# Altium PCB Fastino-DIOT.PCBDOC (part 8 of 22)
Units mm, origin at the board's own origin, x right, y up, seen from the top; angles counter-clockwise.
Board outline 222.63 x 100.1 mm, 8 copper layers (L1, L2, L3, P4, L5, L6, P7, L8), stack 1.563 mm thick; 1030 components, 787 nets, 3312 pads, 2498 vias.
Unrouted connection lines stored in the file: 424.
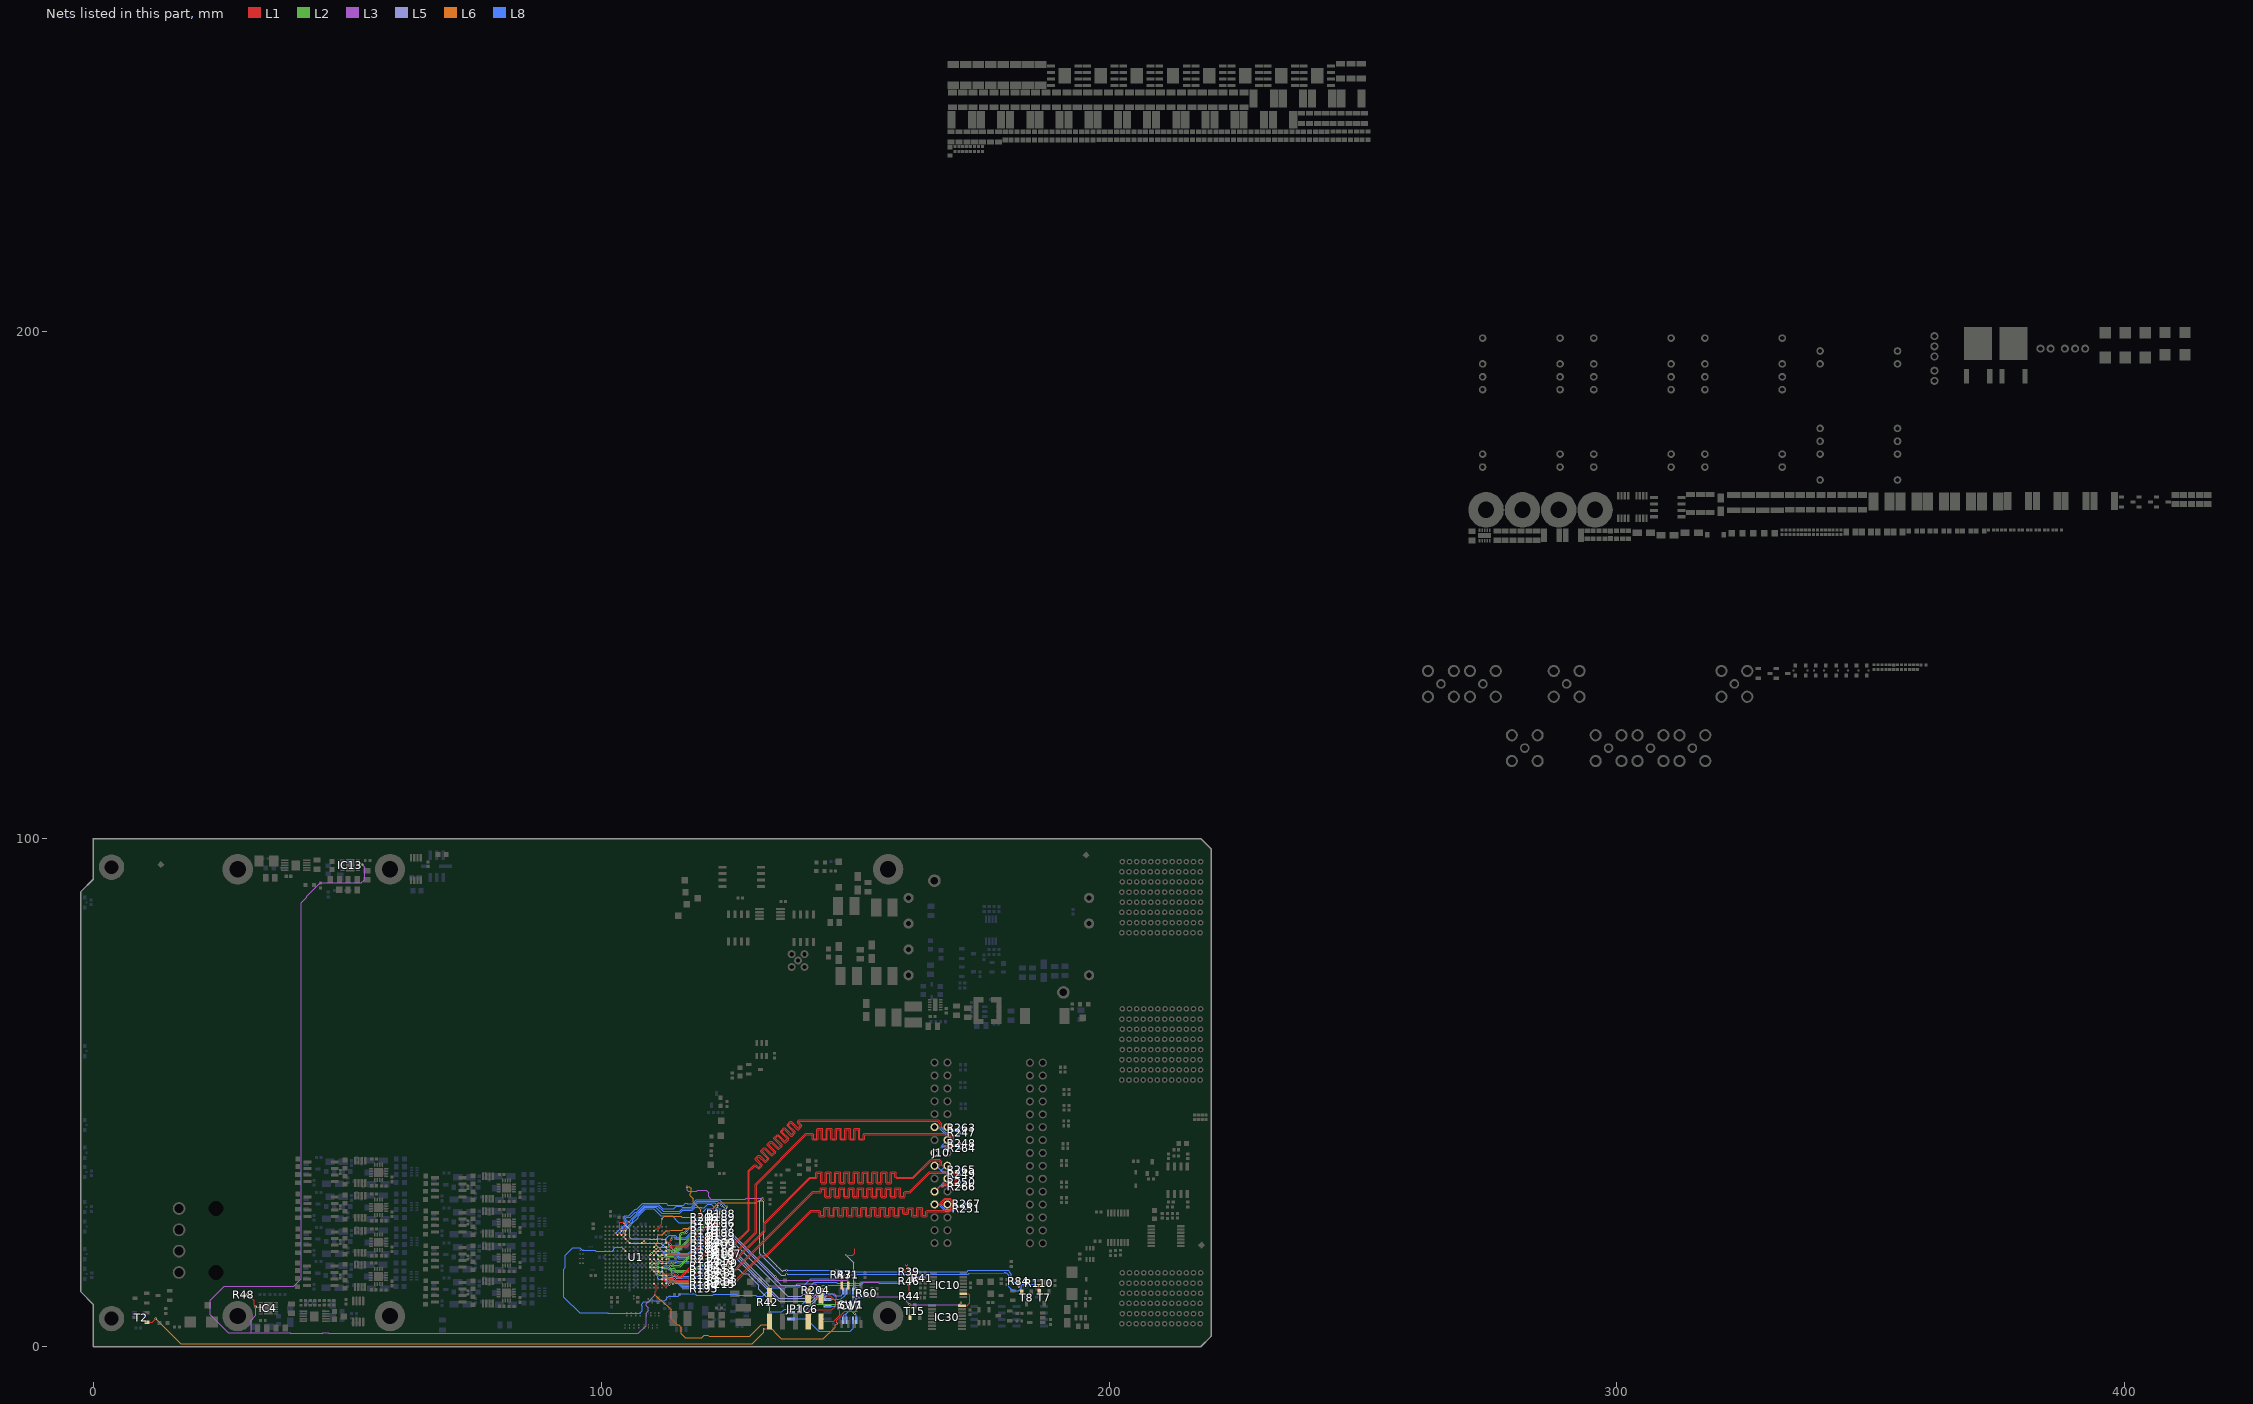
[diagram p14: the nets of this part, all layers, seen from the top]

## Via types
v1: diameter 0.4, hole 0.2, L1 to L8, tented both sides, 1919 vias
v2: diameter 0.5, hole 0.2, L1 to L8, tented both sides, 270 vias
v3: diameter 0.4, hole 0.2, L1 to L8, 170 vias
v4: diameter 0.7, hole 0.4, L1 to L8, tented both sides, 110 vias
v5: diameter 0.7, hole 0.4, L1 to L8, 29 vias

## Nets (pads, with @x,y where several pads share a name; then routed paths per layer and width w, separated by ;. In a path a pad name is that pad's centre, name@x,y a point inside that pad or via, vN(x,y) a via of type N, cw(c..) or ccw(c..) an arc to the next point about the centre after c; other vN are vias at no path point) (continued)
EEM1_3_N: J10.12 R71.1 R200.2 R263.2 | length 93.1
  L1 w0.127: R200.2@123.96,20.584 123.98,20.584 124.127,20.438 124.127,20.43 124.201,20.355 124.478,20.355 ; J10.12@168.187,43.226 167.131,43.226 167.056,43.301 167.056,43.911 166.338,44.629 138.934,44.629 138.848,44.543 138.664,44.359 138.664,44.022 139.214,43.472 138.765,43.023 137.444,44.344 137.212,44.344 136.6,43.732 136.6,43.5 137.921,42.179 137.472,41.73 136.151,43.051 135.919,43.051 135.306,42.438 135.306,42.207 136.627,40.886 136.178,40.437 134.857,41.758 134.626,41.758 134.013,41.145 134.013,40.914 135.334,39.593 134.885,39.144 133.564,40.465 133.333,40.465 132.72,39.852 132.72,39.621 134.041,38.299 133.592,37.85 132.271,39.172 132.04,39.172 131.427,38.559 131.427,38.327 132.748,37.006 132.299,36.557 131.175,37.682 130.943,37.682 130.331,37.069 130.331,36.838 131.455,35.713 131.006,35.264 130.456,35.814 130.119,35.814 129.639,35.334 128.905,34.6 128.905,23.038 126.223,20.355 125.299,20.355 125.119,20.355 ; 124.478,20.355 125.119,20.355 ; 124.478,20.355 124.552,20.43 124.552,20.459 124.779,20.686 R71.1@124.799,20.686 124.819,20.686 125.045,20.459 125.045,20.43 125.119,20.355
  L8 w0.127: J10.12@168.187,43.226 167.131,43.226 167.056,43.152 167.056,42.956 167.776,42.236 168.597,42.236 169.243,42.882 169.918,42.882 170.091,42.709 170.21,42.709 170.284,42.783 170.284,42.82 R263.2@170.51,43.046
EEM1_3_P: J10.11 R71.2 R203.2 R247.2 | length 93.1
  L1 w0.127: R203.2@123.96,19.847 123.98,19.847 124.127,19.994 124.127,20.002 124.201,20.076 125.119,20.076 ; 124.478,20.076 124.552,20.002 124.552,19.972 124.779,19.746 R71.2@124.799,19.746 124.819,19.746 125.045,19.972 125.045,20.002 125.119,20.076 ; J10.11@165.647,43.226 166.702,43.226 166.777,43.301 166.777,43.795 166.222,44.349 139.049,44.349 139.046,44.346 138.943,44.243 138.943,44.138 139.493,43.588 139.493,43.356 138.881,42.744 138.649,42.744 137.328,44.065 136.879,43.616 138.2,42.295 138.2,42.063 137.587,41.451 137.356,41.451 136.035,42.772 135.586,42.323 136.907,41.002 136.907,40.77 136.294,40.157 136.063,40.157 134.742,41.478 134.293,41.029 135.614,39.708 135.614,39.477 135.001,38.864 134.77,38.864 133.448,40.185 132.999,39.736 134.321,38.415 134.321,38.184 133.708,37.571 133.476,37.571 132.155,38.892 131.706,38.443 133.027,37.122 133.027,36.891 132.415,36.278 132.183,36.278 131.059,37.402 130.61,36.953 131.734,35.829 131.734,35.597 131.122,34.985 130.89,34.985 130.34,35.535 130.235,35.535 129.836,35.136 129.184,34.484 129.184,22.922 126.338,20.076 125.415,20.076 125.119,20.076
  L8 w0.127: J10.11@165.647,43.226 166.702,43.226 166.777,43.152 166.777,42.84 167.66,41.957 168.713,41.957 169.358,42.602 169.802,42.602 169.975,42.429 170.229,42.429 170.304,42.355 170.304,42.326 R247.2@170.53,42.1
EEM1_4_N: J10.15 R107.1 R208.2 R264.2 | length 94.8
  L1 w0.127: R208.2@123.918,18.68 123.938,18.68 124.154,18.464 ; 124.159,18.451 126.249,18.451 130.3,22.502 130.3,32.016 140.27,41.985 140.767,41.985 141.578,41.985 141.816,41.747 141.816,40.969 142.451,40.969 142.451,42.838 142.615,43.001 143.481,43.001 143.645,42.838 143.645,40.969 144.28,40.969 144.28,42.838 144.443,43.001 145.31,43.001 145.474,42.838 145.474,40.969 146.109,40.969 146.109,42.838 146.272,43.001 147.139,43.001 147.302,42.838 147.302,40.969 147.937,40.969 147.937,42.838 148.101,43.001 148.967,43.001 149.131,42.838 149.131,40.969 149.766,40.969 149.766,42.838 149.93,43.001 150.796,43.001 150.96,42.838 150.96,40.969 151.595,40.969 151.595,41.747 151.833,41.985 152.094,41.985 168.684,41.985 169.456,41.213 169.456,40.16 169.293,39.997 168.561,39.265 167.388,39.265 167.359,39.294 166.999,39.294 166.97,39.265 166.765,39.265 J10.15@165.647,38.146 ; 124.461,18.464 124.535,18.538 124.535,18.568 124.762,18.794 R107.1@124.782,18.794 124.802,18.794 125.028,18.568 125.028,18.538 125.102,18.464
  L8 w0.127: J10.15@165.647,38.146 166.765,39.265 166.87,39.265 167.027,39.109 167.363,39.109 167.671,39.417 168.713,39.417 168.798,39.502 169.842,39.502 169.934,39.41 170.24,39.41 170.53,39.12 R264.2@170.53,39.1
EEM1_4_P: J10.14 R107.2 R209.2 R248.2 | length 92.8
  L1 w0.127: R209.2@123.918,17.943 123.938,17.943 124.084,18.09 124.084,18.097 124.159,18.172 124.473,18.172 ; J10.14@168.187,40.686 167.429,39.929 167.429,39.619 167.504,39.545 168.445,39.545 169.177,40.276 169.177,41.097 168.568,41.706 152.094,41.706 151.949,41.706 151.874,41.632 151.874,40.854 151.711,40.69 150.844,40.69 150.681,40.854 150.681,42.722 150.046,42.722 150.046,40.854 149.882,40.69 149.015,40.69 148.852,40.854 148.852,42.722 148.217,42.722 148.217,40.854 148.053,40.69 147.187,40.69 147.023,40.854 147.023,42.722 146.388,42.722 146.388,40.854 146.224,40.69 145.358,40.69 145.194,40.854 145.194,42.722 144.559,42.722 144.559,40.854 144.395,40.69 143.529,40.69 143.365,40.854 143.365,42.722 142.73,42.722 142.73,40.854 142.567,40.69 141.7,40.69 141.537,40.854 141.537,41.632 141.462,41.706 140.767,41.706 140.385,41.706 130.579,31.9 130.579,22.387 126.364,18.172 125.254,18.172 125.242,18.185 125.102,18.185 125.09,18.172 ; 124.473,18.172 125.09,18.172 ; 124.473,18.172 124.535,18.11 124.535,18.081 124.762,17.854 R107.2@124.782,17.854 124.802,17.854 125.028,18.081 125.028,18.11 125.09,18.172
  L8 w0.127: J10.14@168.187,40.686 167.068,39.568 167.068,39.463 167.142,39.388 167.247,39.388 167.555,39.696 168.597,39.696 168.683,39.782 169.957,39.782 170.05,39.69 170.24,39.69 170.53,39.98 R248.2@170.53,40
EEM1_5_N: J10.18 R79.1 R210.2 R265.2 | length 92.8
  L1 w0.127: R210.2@123.942,16.81 123.962,16.81 124.109,16.663 124.109,16.648 124.188,16.568 124.536,16.568 124.61,16.643 124.61,16.672 124.837,16.899 R79.1@124.857,16.899 124.877,16.899 125.103,16.672 125.103,16.643 125.178,16.568 125.711,16.568 132,22.858 132,24.316 141.064,33.379 142.069,33.379 142.214,33.379 142.288,33.454 142.288,34.232 142.452,34.395 143.318,34.395 143.482,34.232 143.482,32.363 144.117,32.363 144.117,34.232 144.281,34.395 145.147,34.395 145.311,34.232 145.311,32.363 145.946,32.363 145.946,34.232 146.11,34.395 146.976,34.395 147.14,34.232 147.14,32.363 147.775,32.363 147.775,34.232 147.938,34.395 148.805,34.395 148.969,34.232 148.969,32.363 149.604,32.363 149.604,34.232 149.767,34.395 150.634,34.395 150.797,34.232 150.797,32.363 151.432,32.363 151.432,34.232 151.596,34.395 152.462,34.395 152.626,34.232 152.626,32.363 153.261,32.363 153.261,34.232 153.425,34.395 154.291,34.395 154.455,34.232 154.455,32.363 155.09,32.363 155.09,34.232 155.254,34.395 156.12,34.395 156.284,34.232 156.284,32.363 156.919,32.363 156.919,34.232 157.082,34.395 157.949,34.395 158.113,34.232 158.113,33.454 158.187,33.379 158.782,33.379 161.371,33.379 164.868,36.876 166.618,36.876 167.056,36.438 167.056,35.681 167.131,35.606 J10.18@168.187,35.606
  L8 w0.127: J10.18@168.187,35.606 167.863,35.606 167.109,34.853 167.109,34.747 167.228,34.628 167.361,34.495 170.21,34.495 170.284,34.57 170.284,34.593 R265.2@170.51,34.82
EEM1_5_P: J10.17 R79.2 R211.2 R249.2 | length 92.8
  L1 w0.127: R211.2@123.967,16.048 123.987,16.048 124.134,16.194 124.134,16.215 124.208,16.289 124.536,16.289 124.61,16.215 124.61,16.185 124.837,15.959 R79.2@124.857,15.959 124.877,15.959 125.103,16.185 125.103,16.215 125.178,16.289 125.826,16.289 132.279,22.742 132.279,24.2 141.179,33.1 142.069,33.1 142.33,33.1 142.568,33.338 142.568,34.116 143.203,34.116 143.203,32.248 143.366,32.084 144.233,32.084 144.397,32.248 144.397,34.116 145.032,34.116 145.032,32.248 145.195,32.084 146.062,32.084 146.225,32.248 146.225,34.116 146.86,34.116 146.86,32.248 147.024,32.084 147.89,32.084 148.054,32.248 148.054,34.116 148.689,34.116 148.689,32.248 148.853,32.084 149.719,32.084 149.883,32.248 149.883,34.116 150.518,34.116 150.518,32.248 150.682,32.084 151.548,32.084 151.712,32.248 151.712,34.116 152.347,34.116 152.347,32.248 152.51,32.084 153.377,32.084 153.541,32.248 153.541,34.116 154.176,34.116 154.176,32.248 154.339,32.084 155.206,32.084 155.369,32.248 155.369,34.116 156.004,34.116 156.004,32.248 156.168,32.084 157.034,32.084 157.198,32.248 157.198,34.116 157.833,34.116 157.833,33.338 158.071,33.1 158.782,33.1 161.487,33.1 164.984,36.597 166.502,36.597 166.777,36.322 166.777,35.681 166.702,35.606 J10.17@165.647,35.606
  L8 w0.127: J10.17@165.647,35.606 165.97,35.606 166.829,34.747 166.829,34.632 167.245,34.216 170.234,34.216 170.53,33.92 R249.2@170.53,33.9
EEM1_6_N: J10.21 R81.1 R212.2 R266.2 | length 95.5
  L1 w0.127: R212.2@123.993,14.93 124.013,14.93 124.159,14.784 124.159,14.781 124.239,14.701 124.536,14.701 124.61,14.776 124.61,14.805 124.837,15.032 R81.1@124.857,15.032 124.877,15.032 125.103,14.805 125.103,14.776 125.178,14.701 125.768,14.701 141.666,30.6 142.443,30.6 143.079,30.6 143.153,30.674 143.153,31.095 143.317,31.259 144.184,31.259 144.347,31.095 144.347,29.584 144.982,29.584 144.982,31.095 145.146,31.259 146.012,31.259 146.176,31.095 146.176,29.584 146.811,29.584 146.811,31.095 146.975,31.259 147.841,31.259 148.005,31.095 148.005,29.584 148.64,29.584 148.64,31.095 148.803,31.259 149.67,31.259 149.834,31.095 149.834,29.584 150.469,29.584 150.469,31.095 150.632,31.259 151.499,31.259 151.662,31.095 151.662,29.584 152.297,29.584 152.297,31.095 152.461,31.259 153.328,31.259 153.491,31.095 153.491,29.584 154.126,29.584 154.126,31.095 154.29,31.259 155.156,31.259 155.32,31.095 155.32,29.584 155.955,29.584 155.955,31.095 156.119,31.259 156.985,31.259 157.149,31.095 157.149,29.584 157.784,29.584 157.784,31.095 157.947,31.259 158.814,31.259 158.978,31.095 158.978,29.584 159.613,29.584 159.613,30.362 159.851,30.6 160.112,30.6 160.765,30.6 164.583,34.418 169.391,34.418 170.015,33.794 170.015,32.313 169.332,31.63 167.956,31.63 167.865,31.721 166.841,31.721 J10.21@165.647,30.526
  L8 w0.127: J10.21@165.647,30.526 166.765,31.645 166.87,31.645 167.027,31.489 167.363,31.489 167.671,31.797 168.713,31.797 168.818,31.902 169.631,31.902 169.723,31.81 170.24,31.81 170.53,31.52 R266.2@170.53,31.5
EEM1_6_P: J10.20 R81.2 R213.2 R250.2 | length 93.6
  L1 w0.127: R213.2@124.018,14.193 124.038,14.193 124.185,14.34 124.185,14.348 124.259,14.422 124.536,14.422 124.61,14.348 124.61,14.318 124.837,14.092 R81.2@124.857,14.092 124.877,14.092 125.103,14.318 125.103,14.348 125.178,14.422 125.884,14.422 141.782,30.321 142.443,30.321 143.195,30.321 143.433,30.559 143.433,30.979 144.068,30.979 144.068,29.468 144.231,29.305 145.098,29.305 145.262,29.468 145.262,30.979 145.897,30.979 145.897,29.468 146.06,29.305 146.927,29.305 147.09,29.468 147.09,30.979 147.725,30.979 147.725,29.468 147.889,29.305 148.756,29.305 148.919,29.468 148.919,30.979 149.554,30.979 149.554,29.468 149.718,29.305 150.584,29.305 150.748,29.468 150.748,30.979 151.383,30.979 151.383,29.468 151.547,29.305 152.413,29.305 152.577,29.468 152.577,30.979 153.212,30.979 153.212,29.468 153.375,29.305 154.242,29.305 154.406,29.468 154.406,30.979 155.041,30.979 155.041,29.468 155.204,29.305 156.071,29.305 156.234,29.468 156.234,30.979 156.869,30.979 156.869,29.468 157.033,29.305 157.9,29.305 158.063,29.468 158.063,30.979 158.698,30.979 158.698,29.468 158.862,29.305 159.728,29.305 159.892,29.468 159.892,30.246 159.966,30.321 160.112,30.321 160.881,30.321 164.698,34.138 169.276,34.138 169.736,33.678 169.736,32.429 169.216,31.909 168.072,31.909 167.981,32 167.374,32 167.3,32.074 167.3,32.18 J10.20@168.187,33.066
  L8 w0.127: J10.20@168.187,33.066 167.068,31.948 167.068,31.843 167.142,31.768 167.247,31.768 167.555,32.076 168.597,32.076 168.703,32.182 169.747,32.182 169.839,32.09 170.24,32.09 170.53,32.38 R250.2@170.53,32.4
EEM1_7_N: J10.24 R83.1 R214.2 R267.1 | length 96.9
  L1 w0.127: R214.2@123.96,13.007 123.98,13.007 124.196,12.791 124.478,12.791 124.552,12.866 124.552,12.895 124.779,13.122 R83.1@124.799,13.122 124.819,13.122 125.045,12.895 125.045,12.866 125.119,12.791 126.136,12.791 131.299,17.954 132.354,17.954 133.997,19.597 135.082,20.682 141.239,26.839 142.088,26.839 142.951,26.839 143.189,26.601 143.189,25.823 143.824,25.823 143.824,27.254 143.987,27.418 144.854,27.418 145.017,27.254 145.017,25.823 145.652,25.823 145.652,27.254 145.816,27.418 146.683,27.418 146.846,27.254 146.846,25.823 147.481,25.823 147.481,27.254 147.645,27.418 148.511,27.418 148.675,27.254 148.675,25.823 149.31,25.823 149.31,27.254 149.474,27.418 150.34,27.418 150.504,27.254 150.504,25.823 151.139,25.823 151.139,27.254 151.303,27.418 152.169,27.418 152.333,27.254 152.333,25.823 152.968,25.823 152.968,27.254 153.131,27.418 153.998,27.418 154.161,27.254 154.161,25.823 154.796,25.823 154.796,27.254 154.96,27.418 155.827,27.418 155.99,27.254 155.99,25.823 156.625,25.823 156.625,27.254 156.789,27.418 157.655,27.418 157.819,27.254 157.819,25.823 158.454,25.823 158.454,27.254 158.618,27.418 159.484,27.418 159.648,27.254 159.648,26.346 160.283,26.346 160.283,27.179 160.447,27.343 161.313,27.343 161.477,27.179 161.477,25.823 162.112,25.823 162.112,27.254 162.275,27.418 163.142,27.418 163.305,27.254 163.305,25.823 163.94,25.823 163.94,26.601 164.179,26.839 164.44,26.839 168.44,26.839 169.177,27.576 169.177,28.397 168.597,28.977 167.776,28.977 167.056,28.257 167.056,28.061 167.131,27.986 J10.24@168.187,27.986
  L8 w0.127: J10.24@168.187,27.986 167.131,27.986 167.056,27.912 167.056,27.716 167.776,26.996 169.264,26.996 170.001,27.734 171.435,27.734 171.509,27.808 171.509,27.939 R267.1@171.67,28.1
EEM1_7_P: J10.23 R83.2 R215.2 R251.1 | length 98.8
  L1 w0.127: R215.2@123.935,12.271 123.955,12.271 124.101,12.417 124.101,12.419 124.194,12.512 124.478,12.512 124.552,12.438 124.552,12.408 124.779,12.182 R83.2@124.799,12.182 124.819,12.182 125.045,12.408 125.045,12.438 125.119,12.512 126.252,12.512 131.415,17.675 132.47,17.675 134.194,19.399 135.28,20.485 141.355,26.56 142.088,26.56 142.835,26.56 142.909,26.485 142.909,25.708 143.073,25.544 143.939,25.544 144.103,25.708 144.103,27.138 144.738,27.138 144.738,25.708 144.902,25.544 145.768,25.544 145.932,25.708 145.932,27.138 146.567,27.138 146.567,25.708 146.731,25.544 147.597,25.544 147.761,25.708 147.761,27.138 148.396,27.138 148.396,25.708 148.559,25.544 149.426,25.544 149.589,25.708 149.589,27.138 150.224,27.138 150.224,25.708 150.388,25.544 151.255,25.544 151.418,25.708 151.418,27.138 152.053,27.138 152.053,25.708 152.217,25.544 153.083,25.544 153.247,25.708 153.247,27.138 153.882,27.138 153.882,25.708 154.046,25.544 154.912,25.544 155.076,25.708 155.076,27.138 155.711,27.138 155.711,25.708 155.875,25.544 156.741,25.544 156.905,25.708 156.905,27.138 157.54,27.138 157.54,25.708 157.703,25.544 158.57,25.544 158.733,25.708 158.733,27.138 159.368,27.138 159.368,26.23 159.532,26.067 160.399,26.067 160.562,26.23 160.562,27.064 161.197,27.064 161.197,25.708 161.361,25.544 162.227,25.544 162.391,25.708 162.391,27.138 163.026,27.138 163.026,25.708 163.19,25.544 164.056,25.544 164.22,25.708 164.22,26.485 164.294,26.56 164.44,26.56 168.556,26.56 169.456,27.46 169.456,28.513 168.713,29.256 167.66,29.256 166.777,28.373 166.777,28.061 166.702,27.986 J10.23@165.647,27.986
  L8 w0.127: J10.23@165.647,27.986 166.702,27.986 166.777,27.912 166.777,27.6 167.66,26.717 169.379,26.717 170.117,27.454 171.452,27.454 171.527,27.38 171.527,27.261 171.688,27.1 R251.1@171.7,27.1
EEM1_SCL: R110.2 T7.2 U1.R4 | length 110.4
  L1 w0.127: U1.R4@110.4,22.8 110.79,23.191 111.343,23.191 111.609,23.457 111.609,23.826 111.93,24.147 v1(111.93,25.126) ; T7.2@186.287,10.765 186.287,12 R110.2@186.246,12.04 186.266,12.04 186.635,12.409 186.737,12.409 v1(186.789,12.461)
  L3 w0.127: v1(116.925,31.475) 116.925,30.813 117.154,30.585 118.782,30.585 119.014,30.817 120.643,30.817 121.131,30.329 121.131,29.469 121.546,29.054 128.393,29.054 128.589,29.25 v1(131.75,29.25)
  L6 w0.127: v1(111.93,25.126) 112.454,25.65 115.727,25.65 115.867,25.51 119.067,25.51 119.646,26.09 119.646,26.934 118.125,28.455 118.125,29.125 117.498,29.752 117.498,30.221 117.706,30.429 117.706,31.137 117.368,31.475 v1(116.925,31.475)
  L5 w0.127: v1(131.75,29.25) 131.25,28.75 131.25,18.25 135.5,14 136.198,14 136.448,14.25 v1(136.5,14.25)
  L8 w0.127: v1(136.5,14.25) 146.198,14.25 146.338,14.109 150.246,14.109 150.386,14.25 160.106,14.25 160.625,13.73 163.678,13.73 164.198,14.25 172.271,14.25 172.487,14.466 179.342,14.503 cw(c179.527,13.995) 179.607,14.53 179.791,14.503 180.25,14.044 180.25,11.75 181,11 182.25,11 182.75,11.5 182.75,12 183,12.25 186.5,12.25 186.659,12.409 186.737,12.409 v1(186.789,12.461)
EEM1_SDA: R84.2 T8.2 U1.M7 | length 95.7
  L1 w0.127: U1.M7@108,20.421 108.021,20.421 v1@108.352,20.752 ; R84.2@182.233,12.409 182.25,12.391 v1(182.25,11.75) ; R84.2@182.253,12.409 182.807,11.855 T8.2@182.807,10.734
  L6 w0.127: v1(108.4,20.8) 108.81,20.391 109.757,20.391 109.761,20.387 109.788,20.387 109.82,20.355 110.144,20.355 110.176,20.387 110.634,20.387 110.638,20.391 110.914,20.391 111.165,20.641 111.165,21.712 111.12,21.757 111.12,21.857 111.259,21.996 111.996,21.996 112.784,22.784 113.494,22.784 113.653,22.943 115.932,22.943 116.296,23.306 118.217,23.306 120.085,25.175 120.085,25.235 123.155,28.305 130.555,28.305 131,28.75 v1(132,28.75)
  L5 w0.127: v1(132,28.75) 132.031,28.719 132.031,28.088 132,28.057 132,20.109 131.996,20.105 131.996,18.895 132,18.891 132,18.5 134.609,15.89 134.609,15.838 134.838,15.61 134.89,15.61 135.671,14.829 135.776,14.829 135.979,15.031 v1(136.5,15.031)
  L8 w0.127: v1(136.5,15.031) 146.12,15.031 146.233,15.144 146.767,15.144 146.88,15.031 148.667,15.031 148.94,14.758 162.114,14.758 162.121,14.765 167.087,14.765 167.094,14.758 172.06,14.758 172.313,15.011 179.52,15.044 cw(c179.527,13.995) 179.586,15.042 180.164,15.011 180.5,14.676 180.5,14.513 180.758,14.255 180.758,13.601 181.254,13.105 181.254,12.746 v1(182.25,11.75)
EEMR0_0_N: R206.1 U1.J5 | length 15.1
  L1 w0.127: U1.J5@109.604,18.021 109.88,18.297 v1(109.88,18.313)
  L2 w0.127: v1(109.88,18.313) 110.372,18.805 111.769,18.805 111.778,18.796 112.541,18.796 112.83,19.085 113.527,19.085 113.756,18.856 113.756,18.755 113.83,18.681 113.935,18.681 115.427,20.173 115.427,22.083 115.842,22.498 116.286,22.498 116.401,22.613 116.401,22.788 v1(116.453,22.84)
  L8 w0.127: v1(116.453,22.84) 116.506,22.893 116.681,22.893 117.718,23.93 118.205,23.93 119.497,25.222 119.774,25.222 119.849,25.297 119.849,25.304 119.995,25.451 R206.1@120.015,25.451
EEMR0_0_P: R207.1 U1.G1 | length 17.3
  L1 w0.127: U1.G1@112.8,16.4 112.805,16.395 113.513,16.395 v1(113.517,16.39)
  L2 w0.127: v1(113.517,16.39) 111.479,16.39 111.204,16.666 111.204,17.726 111.502,18.025 111.769,18.025 112.049,18.304 113.953,18.304 115.706,20.057 115.706,21.968 115.958,22.219 116.402,22.219 116.599,22.415 116.774,22.415 v1(116.826,22.468)
  L8 w0.127: v1(116.826,22.468) 116.878,22.52 116.878,22.695 117.833,23.65 118.321,23.65 119.613,24.943 119.774,24.943 119.849,24.868 119.849,24.861 119.995,24.714 R207.1@120.015,24.714
EEMR0_1_N: R176.1 U1.K4 | length 12.3
  L1 w0.127: U1.K4@110.4,18.821 110.421,18.821 110.752,19.152 v1@110.752,19.173
  L8 w0.127: v1(110.8,19.2) 111.21,19.61 111.773,19.61 112.683,20.519 112.683,21.212 113.37,21.9 114.543,21.9 115.004,21.438 116.619,21.438 118.513,23.332 119.787,23.332 119.861,23.406 119.861,23.425 120.008,23.571 R176.1@120.028,23.571
EEMR0_1_P: R178.1 U1.M1 | length 9.2
  L1 w0.127: U1.M1@112.8,20.4 113.31,20.4 113.57,20.659 113.57,20.825 v1(113.881,21.136)
  L8 w0.127: v1(113.881,21.136) 113.841,21.177 113.841,21.546 113.915,21.62 114.427,21.62 114.889,21.158 116.735,21.158 118.629,23.052 119.816,23.052 120.033,22.835 R178.1@120.053,22.835
EEMR0_2_N: R180.1 U1.K1 | length 11.3
  L1 w0.127: U1.K1@112.8,18.8 113.186,18.8 113.291,18.694 v1(113.365,18.694)
  L8 w0.127: v1(113.365,18.694) 112.589,18.694 112.515,18.62 112.515,18.515 112.726,18.304 113.717,18.304 113.974,18.562 115.4,18.562 115.681,18.281 117.077,18.281 118.985,20.189 118.985,20.978 119.442,21.436 119.841,21.436 120.046,21.641 R180.1@120.066,21.641
EEMR0_2_P: R182.1 U1.K3 | length 10.9
  L1 w0.127: U1.K3@111.242,18.821 111.242,18.842 111.573,19.173 v1@111.594,19.173
  L8 w0.127: v1(111.6,19.2) 111.656,19.2 112.236,18.62 112.236,18.435 112.621,18.05 113.936,18.05 114.087,18.2 115.402,18.2 115.575,18.027 117.182,18.027 119.239,20.084 119.239,20.148 120.021,20.93 R182.1@120.041,20.93
EEMR0_3_N: R184.1 U1.J4 | length 11.3
  L1 w0.127: U1.J4@110.4,18.021 110.421,18.021 110.752,18.352 v1@110.752,18.373
  L8 w0.127: v1(110.8,18.4) 111.209,17.991 112.284,17.991 112.505,17.771 114.218,17.771 114.394,17.946 114.942,17.946 115.278,17.611 117.541,17.611 118.026,18.096 118.026,18.268 119.336,19.577 119.812,19.577 119.887,19.652 119.887,19.692 120.033,19.838 R184.1@120.053,19.838
EEMR0_3_P: R186.1 U1.H2 | length 10.2
  L1 w0.127: U1.H2@112,17.2 112.39,17.591 114.332,17.591 v1(114.646,17.277)
  L8 w0.127: v1(114.646,17.277) 114.435,17.487 114.435,17.593 114.51,17.667 114.826,17.667 115.162,17.331 117.657,17.331 118.306,17.98 118.306,18.152 119.452,19.298 119.8,19.298 119.874,19.224 119.874,19.171 120.021,19.025 R186.1@120.041,19.025
EEMR0_4_N: R216.1 U1.H4 | length 10.6
  L1 w0.127: U1.H4@110.421,17.2 110.421,17.179 110.752,16.848 v1@110.773,16.848
  L8 w0.127: v1(110.8,16.8) 111.163,16.437 113.012,16.437 113.356,16.781 113.493,16.781 113.598,16.886 114.854,16.886 114.951,16.789 118.603,16.789 119.493,17.678 119.812,17.678 119.887,17.753 119.887,17.761 120.033,17.907 R216.1@120.053,17.907
EEMR0_4_P: R217.1 U1.G2 | length 8.9
  L1 w0.127: U1.G2@112,16.4 112.39,16.791 114.065,16.791 v1(114.422,16.434)
  L8 w0.127: v1(114.422,16.434) 114.46,16.434 114.633,16.607 114.738,16.607 114.835,16.509 118.719,16.509 119.609,17.399 119.812,17.399 119.887,17.325 119.887,17.317 120.033,17.17 R217.1@120.053,17.17
EEMR0_5_N: R190.1 U1.G4 | length 10.6
  L1 w0.127: U1.G4@110.421,16.4 110.421,16.379 110.752,16.048 v1@110.773,16.048
  L8 w0.127: v1(110.8,16) 111.191,15.609 111.806,15.609 111.949,15.752 113.083,15.752 113.452,15.383 113.589,15.383 113.97,15.003 115.445,15.003 115.528,14.92 115.852,14.92 115.935,15.003 117.296,15.003 117.981,15.688 118.992,15.688 119.113,15.808 119.872,15.808 R190.1@119.964,15.9
EEMR0_5_P: R191.1 U1.E3 | length 10.5
  L1 w0.127: U1.E3@111.221,14.8 111.221,14.779 111.552,14.448 v1@111.573,14.448
  L8 w0.127: v1(111.6,14.4) 111.99,14.79 111.99,15.398 112.065,15.473 112.967,15.473 113.337,15.104 113.474,15.104 113.854,14.723 115.365,14.723 115.423,14.666 115.957,14.666 116.015,14.723 117.412,14.723 118.097,15.408 119.108,15.408 119.229,15.529 119.608,15.529 119.798,15.339 119.798,15.31 119.944,15.164 R191.1@119.964,15.164
EEMR0_6_N: R192.1 U1.F4 | length 10.8
  L1 w0.127: U1.F4@110.421,15.6 110.421,15.579 110.752,15.248 v1@110.773,15.248
  L8 w0.127: v1(110.8,15.2) 111.16,14.84 111.16,14.288 111.443,14.005 112.737,14.005 113.107,13.635 114.083,13.635 114.25,13.802 114.789,13.802 114.818,13.773 115.866,13.773 115.895,13.802 119.124,13.802 119.146,13.78 119.698,13.78 119.773,13.855 119.773,13.872 119.919,14.019 R192.1@119.939,14.019
EEMR0_6_P: R193.1 U1.D2 | length 8.4
  L1 w0.127: U1.D2@112,14 112.409,13.591 113.417,13.591 113.597,13.411 v1(114.605,13.411)
  L8 w0.127: v1(114.605,13.411) 114.657,13.463 114.786,13.463 114.816,13.493 115.981,13.493 116.011,13.522 119.008,13.522 119.03,13.501 119.728,13.501 119.944,13.284 R193.1@119.964,13.284
EEMR0_7_N: R194.1 U1.E4 | length 11.6
  L1 w0.127: U1.E4@110.4,14.8 110.4,14.786 110.769,14.416 v1(110.769,14.402)
  L8 w0.127: v1(110.769,14.402) 110.822,14.35 110.822,14.114 111.16,13.776 111.16,13.459 111.395,13.224 111.768,13.224 112.295,13.751 112.632,13.751 113.362,13.021 114.936,13.021 116.082,11.875 119.729,11.875 119.944,12.09 R194.1@119.964,12.09
EEMR0_7_P: R195.1 U1.B2 | length 11.9
  L1 w0.127: U1.B2@112,12.4 112.39,12.01 113.129,12.01 113.324,12.204 v1@113.46,12.204
  L8 w0.127: v1(113.411,12.217) 112.337,13.292 112.337,13.397 112.411,13.471 112.516,13.471 113.246,12.741 114.82,12.741 115.966,11.595 119.729,11.595 119.944,11.379 R195.1@119.964,11.379
EEMR1_0_N: R188.1 U1.J3 | length 15.6
  L1 w0.127: 111.358,17.855 v1@111.571,17.642 ; v1(122.733,26.213) 123.283,26.213 R188.1@123.3,26.195
  L2 w0.127: v1(111.63,17.601) 112.478,17.601 112.648,17.771 112.648,17.812 112.886,18.05 114.099,18.05 122.043,25.995 122.515,25.995 v1(122.733,26.213)
EEMR1_0_P: R189.1 U1.H1 | length 15
  L1 w0.127: U1.H1@112.8,17.2 v1(113.318,17.2) ; v1(122.733,25.497) 122.746,25.484 R189.1@123.3,25.484
  L2 w0.127: v1(113.318,17.2) 112.927,17.591 112.927,17.696 113.002,17.771 114.214,17.771 122.159,25.715 122.515,25.715 v1(122.733,25.497)
EEMR1_1_N: R196.1 U1.L4 | length 16.7
  L1 w0.127: U1.L4@110.4,19.6 v1(110.8,20) ; v1(113.651,20.098) 113.725,20.098 113.864,19.959 113.885,19.959 113.949,19.894 113.949,19.859 113.695,19.859 113.653,19.818 113.536,19.934 113.397,19.934 113.397,19.829 113.471,19.755 114.02,19.755 114.245,19.98 116.837,19.98 120.942,24.085 123.059,24.085 123.134,24.16 123.134,24.169 123.28,24.316 R196.1@123.3,24.316
  L2 w0.127: v1(110.8,20) 111.191,19.61 113.072,19.61 113.285,19.822 113.374,19.822 v1(113.651,20.098)
EEMR1_1_P: R197.1 U1.L1 | length 12.5
  L1 w0.127: U1.L1@112.8,19.6 113.267,19.6 113.395,19.472 114.133,19.472 114.361,19.7 116.917,19.7 121.048,23.831 123.034,23.831 123.108,23.757 123.108,23.725 123.255,23.579 R197.1@123.275,23.579
EEMR1_2_N: R198.1 U1.J2 | length 13.2
  L1 w0.127: U1.J2@112,18 112.39,18.391 113.112,18.391 113.223,18.279 117.739,18.279 121.66,22.2 122.373,22.2 122.379,22.205 123.059,22.205 123.134,22.279 123.134,22.292 123.28,22.438 R198.1@123.3,22.438
EEMR1_2_P: R199.1 U1.J1 | length 12.2
  L1 w0.127: U1.J1@112.8,18 117.855,18 121.775,21.92 122.489,21.92 122.494,21.926 123.034,21.926 123.108,21.851 123.108,21.828 123.255,21.682 R199.1@123.275,21.682
EEMR1_3_N: R200.1 U1.H3 | length 14.6
  L1 w0.127: U1.H3@111.2,17.2 111.211,17.2 111.552,16.859 v1@111.552,16.848 ; v1(122.659,20.479) 122.733,20.479 122.857,20.355 123.059,20.355 123.134,20.43 123.134,20.438 123.28,20.584 R200.1@123.3,20.584
  L2 w0.127: v1(111.594,16.827) 111.612,16.81 113.651,16.81 113.908,16.552 113.908,16.388 114.038,16.257 114.046,16.257 114.26,16.043 115.426,16.043 119.738,20.355 122.461,20.355 122.585,20.479 v1(122.659,20.479)
EEMR1_3_P: R203.1 U1.F2 | length 13.7
  L1 w0.127: U1.F2@112,15.6 112.39,15.991 113.323,15.991 113.54,15.773 v1(113.614,15.773) ; v1(122.659,19.952) 122.733,19.952 122.857,20.076 123.059,20.076 123.134,20.002 123.134,19.994 123.28,19.847 R203.1@123.3,19.847
  L2 w0.127: v1(113.614,15.773) 113.621,15.773 113.825,15.978 113.93,15.978 114.144,15.764 115.542,15.764 119.854,20.076 122.461,20.076 122.585,19.952 v1(122.659,19.952)
EEMR1_4_N: R208.1 U1.H5 | length 18.8
  L1 w0.127: U1.H5@109.621,17.2 109.621,17.179 109.952,16.848 v1@109.973,16.848 ; v1(114.98,14.163) 115.032,14.111 115.032,13.931 115.114,13.85 115.62,13.85 120.221,18.451 123.017,18.451 123.091,18.526 123.091,18.533 123.238,18.68 R208.1@123.258,18.68
  L2 w0.127: v1(110,16.8) 109.61,16.409 109.61,15.838 109.857,15.591 110.962,15.591 111.209,15.343 111.209,15.038 111.457,14.79 111.762,14.79 112.917,13.635 114.083,13.635 114.59,14.142 114.959,14.142 v1(114.98,14.163)
EEMR1_4_P: R209.1 U1.E2 | length 13.9
  L1 w0.127: U1.E2@112,14.8 112.409,14.391 112.982,14.391 113.056,14.316 113.554,14.316 113.654,14.416 114.152,14.416 114.998,13.57 115.736,13.57 120.337,18.172 123.017,18.172 123.091,18.097 123.091,18.09 123.238,17.943 R209.1@123.258,17.943
EEMR1_5_N: R210.1 U1.G5 | length 15.7
  L1 w0.127: U1.G5@109.621,16.4 109.621,16.379 109.952,16.048 v1@109.973,16.048 ; v1(122.717,16.692) 122.733,16.692 122.862,16.563 123.108,16.563 123.116,16.571 123.116,16.663 123.262,16.81 R210.1@123.282,16.81
  L2 w0.127: v1(110,16) 110.391,16.39 110.962,16.39 111.21,16.143 111.21,15.838 111.457,15.59 112.275,15.59 112.511,15.354 113.583,15.354 113.612,15.383 114.336,15.383 114.717,15.003 115.445,15.003 115.528,14.92 115.852,14.92 115.935,15.003 118.307,15.003 119.873,16.568 122.519,16.568 122.643,16.692 v1(122.717,16.692)
EEMR1_5_P: R211.1 U1.D1 | length 13
  L1 w0.127: U1.D1@112.8,14 112.813,14.013 113.909,14.013 v1(113.921,14.025) ; v1(122.717,16.165) 122.768,16.165 122.887,16.284 123.108,16.284 123.141,16.25 123.141,16.194 123.287,16.048 R211.1@123.307,16.048
  L2 w0.127: v1(113.921,14.025) 113.921,14.656 113.653,14.924 113.653,15.029 113.728,15.104 114.221,15.104 114.601,14.723 115.365,14.723 115.423,14.666 115.957,14.666 116.015,14.723 118.423,14.723 119.989,16.289 122.519,16.289 122.643,16.165 v1(122.717,16.165)
EEMR1_6_N: R212.1 U1.C1 | length 11.4
  L1 w0.127: U1.C1@112.8,13.2 112.852,13.148 113.004,13.148 113.011,13.141 114.322,13.141 114.443,13.021 117.123,13.021 117.968,13.865 117.968,13.906 118.76,14.699 122.904,14.699 122.907,14.701 122.912,14.696 123.092,14.696 123.166,14.771 123.166,14.784 123.313,14.93 R212.1@123.333,14.93
EEMR1_6_P: R213.1 U1.C2 | length 12.4
  L1 w0.127: U1.C2@112,13.2 112.052,13.148 112.3,13.148 112.638,12.81 113.092,12.81 113.144,12.862 114.207,12.862 114.327,12.741 117.239,12.741 118.247,13.749 118.247,13.79 118.876,14.419 122.904,14.419 122.907,14.417 123.117,14.417 123.192,14.342 123.192,14.34 123.338,14.193 R213.1@123.358,14.193
EEMR1_7_N: R214.1 U1.F5 | length 15
  L1 w0.127: U1.F5@109.621,15.6 109.621,15.579 109.952,15.248 v1@109.973,15.248 ; 122.88,12.784 123.101,12.784 123.134,12.817 123.134,12.861 123.28,13.007 R214.1@123.3,13.007
  L2 w0.127: v1(110,15.2) 110.391,14.81 110.914,14.81 111.178,14.545 111.178,14.269 111.443,14.005 112.005,14.005 112.658,13.352 113.474,13.352 113.503,13.381 114.033,13.381 114.673,12.741 119.008,12.741 119.046,12.779 122.513,12.779 122.636,12.902 v1(122.71,12.902)
EEMR1_7_P: R215.1 U1.B1 | length 12.5
  L1 w0.127: U1.B1@112.8,12.4 112.852,12.452 113.094,12.452 113.249,12.608 113.833,12.608 114.097,12.344 v1(114.122,12.344) ; v1@122.854,12.504 123.101,12.504 123.108,12.497 123.108,12.417 123.255,12.271 R215.1@123.275,12.271
  L2 w0.127: v1(114.122,12.344) 113.545,12.922 113.545,13.027 113.619,13.102 113.917,13.102 114.557,12.462 119.124,12.462 119.161,12.499 122.513,12.499 122.636,12.375 v1(122.71,12.375)
En_AFE_PWR: IC4.3 IC13.3 R48.2 U1.B4 | length 287
  L1 w0.127: R48.2@30.061,10.16 30.541,10.16 31.662,9.039 31.662,8.155 31.928,7.89 v2(31.928,7.798) 31.955,7.771 32.742,7.771 IC4.3@32.817,7.696 ; IC13.3@52.066,94.785 v2@52.698,94.785 ; U1.B4@110.4,12.4 110.796,12.004 110.796,11.014 110.675,10.893 110.675,10.515 110.63,10.47 v1(110.63,10.125) ; v1(146.387,4.5) 146.387,5.137 147.25,6 147.25,6.25 148,7 v1(150.25,7) ; v1(148.25,18) 149.496,18 149.898,18.402 149.898,19.228
  L3 w0.127: 31.039,2.692 31.039,5.232 31.928,6.121 v2(31.928,7.798) ; v2(52.908,94.869) 53.391,94.386 53.391,91.973 52.756,91.338 44.64,91.338 41.98,88.679 41.98,88.478 40.894,87.392 40.894,13.335 39.446,11.887 25.756,11.887 22.962,9.093 22.962,6.248 26.524,2.686 38.71,2.686 38.792,2.604 45.125,2.604 45.2,2.68 46.259,2.68 46.334,2.604 107.329,2.604 108.823,4.099 108.823,6.563 109.265,7.006 109.265,7.662 108.89,8.037 108.89,8.437 110.578,10.125 v1(110.63,10.125)
  L6 w0.127: v1(110.63,10.125) 111.506,9.25 111.75,9.25 113.75,7.25 113.75,5.5 115,4.25 115.25,4.25 115.75,3.75 115.75,2.5 116.5,1.75 119.75,1.75 120.25,2.25 121,2.25 121.25,2 129.25,2 131.5,4.25 132.75,4.25 135.5,1.5 143.75,1.5 146.085,3.835 146.085,4.198 v1(146.387,4.5)
  L5 w0.127: v1(148.25,18) 149.75,16.5 149.75,11.5 150.25,11 v1(150.25,7)
FLASH_SCK: IC6.6 IC17.2 JP1.4 U1.R11 | length 77.4
  L1 w0.127: U1.R11@104.8,22.8 104.409,23.191 104.409,23.762 104.937,24.289 105.216,24.289 105.478,24.551 v1(105.506,24.551) ; JP1.4@140.77,4.929 140.77,6.927 141.057,7.214 145.39,7.214 v1(146.152,7.976)
  L3 w0.127: 141.835,9.767 142.459,10.39 145.845,10.39 146.328,9.908 146.328,9.276 146.152,9.1 v1(146.152,7.976)
  L5 w0.127: v1(123.038,27.635) 122.664,27.261 122.664,26.938 122.342,26.616 122.342,22.19 134.992,9.541 141.318,9.541 v1(141.657,9.881)
  L8 w0.127: v1(105.506,24.551) 105.944,24.989 105.944,25.073 108.555,27.684 111.091,27.684 112.164,26.611 115.442,26.611 115.988,27.157 117.841,27.157 119.04,28.356 122.317,28.356 v1(123.038,27.635) ; v1(146.152,7.976) IC6.6@144.589,7.976 144.089,7.976 143.598,8.466 143.598,9.9 144.088,10.39 145.517,10.39 145.871,10.036 147.3,10.036 147.411,10.148 147.411,10.217 147.646,10.452 IC17.2@147.646,10.952
FLASH_SDI: IC6.5 IC17.3 JP1.2 U1.P12 | length 72
  L1 w0.127: v1(103.607,22.352) 103.627,22.352 103.979,22 U1.P12@104,22 ; JP1.2@143.31,4.929 143.362,4.98 145.78,4.98 146.977,6.177 146.977,8.116 145.092,10 v1(144.25,10)
  L5 w0.127: v1(123.723,27.813) 124.511,27.026 124.511,23.011 135.466,12.056 139.195,12.056 140.675,10.575 142.107,10.575 143.385,9.296 143.694,9.296 143.946,9.548 143.946,9.696 v1(144.25,10)
  L8 w0.127: v1(103.607,22.352) 104.161,22.907 104.161,23.196 104.733,23.767 104.738,23.767 105.116,24.145 105.116,24.688 104.84,24.964 104.84,25.288 105.068,25.517 105.742,25.517 106.675,26.45 106.962,26.45 108.45,27.938 111.287,27.938 112.113,27.112 114.262,27.112 114.742,27.592 115.771,27.592 115.952,27.411 117.73,27.411 118.954,28.635 122.879,28.635 123.701,27.813 v1(123.723,27.813) ; v1(144.25,10) 144.25,9.38 144.384,9.246 IC6.5@144.589,9.246 144.639,9.296 147.21,9.296 148.061,10.148 148.061,10.217 148.296,10.452 IC17.3@148.296,10.952
FLASH_SDO: IC6.2 IC17.9 JP1.3 U1.P11 | length 73.5
  L1 w0.127: v1(104.415,22.4) 104.415,22.392 104.779,22.028 U1.P11@104.779,22 ; v1(140.729,8.103) 140.729,9.967 JP1.3@140.77,10.009
  L2 w0.127: v1(140.729,8.103) 140.754,8.103 141.017,8.366 148.138,8.366 148.972,7.531 148.972,7.363 v1(149.859,6.476)
  L5 w0.127: v1(123.952,26.746) 123.952,22.62 136.692,9.881 139.384,9.881 139.825,10.321 142.001,10.321 142.586,9.736 142.586,9.413 141.276,8.103 v1(140.729,8.103)
  L8 w0.127: v1(104.415,22.4) 104.415,22.909 105.667,24.161 ; 105.668,24.161 105.897,24.389 ; 105.897,24.391 106.198,24.692 106.198,24.968 108.661,27.43 110.731,27.43 111.886,26.275 115.466,26.275 116.07,26.88 117.955,26.88 118.525,27.45 119.649,27.45 119.738,27.361 120.318,27.361 120.998,28.042 121.675,28.042 122.58,27.137 123.562,27.137 v1(123.952,26.746) ; IC6.2@137.389,6.706 137.574,6.521 139.576,6.521 140.729,7.673 v1(140.729,8.103) ; v1(149.859,6.476) 149.933,6.476 150.117,6.292 150.138,6.292 150.246,6.184 IC17.9@150.246,5.152
FLASH_SS: IC6.1 IC17.10 JP1.1 R204.1 U1.R12 | length 71.6
  L1 w0.127: U1.R12@104,22.8 103.609,23.191 103.609,24.387 103.689,24.467 103.821,24.467 103.868,24.514 104.192,24.514 104.242,24.464 104.419,24.464 v1(104.471,24.412) ; v1(142.195,9.575) 142.876,9.575 JP1.1@143.31,10.009
  L5 w0.127: v1(104.471,24.412) 104.455,24.396 104.455,24.251 105.597,23.109 105.597,21.482 105.868,21.211 107.437,21.211 107.455,21.193 109.356,21.193 109.414,21.136 110.274,21.136 110.309,21.171 110.914,21.171 110.935,21.193 111.719,21.193 111.917,20.995 112.022,20.995 112.156,21.129 112.48,21.129 112.49,21.119 112.494,21.119 112.723,20.89 112.723,20.886 113.26,20.349 113.26,19.936 113.489,19.707 113.584,19.707 114.956,18.335 117.548,18.335 117.594,18.381 118.535,18.381 118.546,18.393 118.87,18.393 119.099,18.164 119.099,18.144 119.193,18.05 124.012,18.05 124.726,17.337 126.642,17.337 135.034,8.944 141.565,8.944 v1(142.195,9.575)
  L8 w0.127: IC6.1@137.389,5.436 140.424,5.436 ; R204.1@142.761,11.125 142.534,10.899 142.534,9.914 v1(142.195,9.575) 142.195,7.207 140.424,5.436 ; IC17.10@149.596,5.152 149.596,3.596 149.05,3.05 142.81,3.05 140.424,5.436
FLASH_UP_EN: IC10.2 IC17.5 IC17.6 IC17.12 IC17.13 IC30.16 R60.1 T15.1 | length 42.5
  L1 w0.127: v1(160.757,8.28) 160.757,5.825 T15.1@160.823,5.759 ; v1(170.891,8.712) 170.891,8.171 IC30.16@171.047,8.015 172.099,8.015 172.212,8.128 172.212,8.251 172.568,8.606 172.568,10.266 172.405,10.429 IC10.2@171.289,10.429
  L3 w0.127: v1(149.596,9.779) 159.258,9.779 v1(160.757,8.28) 170.459,8.28 v1(170.891,8.712)
  L8 w0.127: IC17.13@147.646,5.152 147.807,5.313 147.807,6.183 148.116,6.491 148.296,6.491 ; IC17.12@148.296,5.152 148.296,6.491 ; IC17.5@149.596,10.952 v1(149.596,9.779) ; IC17.6@150.246,10.952 150.246,9.652 ; R60.1@152.273,10.046 152.047,9.819 151.22,9.819 151.052,9.652 150.246,9.652 ; 148.296,6.491 149.596,7.791 v1(149.596,9.779) ; v1(149.596,9.779) 149.648,9.727 149.976,9.727 150.05,9.652 150.246,9.652
FPGA_CDONE: JP1.10 R39.2 R41.1 T2.1 U1.M10 | length 203.4
  L1 w0.127: T2.1@10.548,4.765 10.563,4.75 11.532,4.75 v1(12.268,5.486) ; v1(105.207,20.784) 105.211,20.784 105.579,20.416 U1.M10@105.579,20.4 ; v1(132.026,3.474) 132.704,3.474 132.704,3.5 133.15,3.947 JP1.10@133.15,4.929 133.151,4.93 133.151,6.813 v1(133.154,6.816) ; v1(159.134,12.884) 159.186,12.936 159.186,13.274 159.25,13.338 159.25,14.5 160,15.25 R39.2@160.5,15.25 ; v1(160.122,16.11) 160.174,16.057 160.174,15.638 160.531,15.281 160.635,15.177 R39.2@160.655,15.177 ; R39.2@160.622,15.164 161.763,14.023 161.763,13.698 161.992,13.469 162.749,13.469 R41.1@162.78,13.5
  L6 w0.127: v1(12.268,5.486) 17.221,0.533 129.75,0.533 132,2.783 132,3.448 v1(132.026,3.474)
  L5 w0.127: v1(105.207,20.784) 105.207,20.736 105.475,20.468 105.761,20.468 105.837,20.391 109.361,20.391 109.366,20.387 109.788,20.387 109.82,20.355 110.144,20.355 110.176,20.387 110.634,20.387 110.638,20.391 110.914,20.391 111.762,20.391 112.559,19.593 112.62,19.593 113.128,19.085 113.527,19.085 113.756,18.856 113.756,18.851 114.751,17.856 115.672,17.856 ; 115.672,17.84 118.253,17.84 120.904,15.189 127.127,15.189 127.926,14.39 128.912,14.39 129.14,14.162 129.14,13.969 131.004,12.105 131.004,11.307 133.154,9.156 v1(133.154,6.816)
  L8 w0.127: v1(133.154,6.816) 135.566,6.816 136.125,7.375 138.625,7.375 140.25,9 140.25,11 141.934,12.684 146.25,12.684 146.498,12.437 150.814,12.437 150.947,12.303 151.053,12.303 151.5,12.75 159,12.75 v1(159.134,12.884)
FPGA_CRESET: JP1.9 R42.2 R44.1 R46.2 U1.N11 | length 79.2
  L1 w0.127: v1@104.427,21.552 104.453,21.552 104.779,21.225 U1.N11@104.779,21.2 ; v1(133.121,11.963) 133.15,11.934 JP1.9@133.15,10.009 133.15,8.944 133.597,8.497 133.621,8.497 133.695,8.423 133.695,8.196 v1(133.731,8.161) ; v1(159.868,12.471) 160.541,12.471 R46.2@160.655,12.357 160.655,10.427 R44.1@160.731,10.351
  L3 w0.127: v1(133.121,11.963) 138.161,11.963 138.607,12.41 142.164,12.41 142.671,11.903 143.443,11.903 143.58,12.04 151.155,12.04 151.74,12.624 154.527,12.624 154.689,12.462 159.858,12.462 v1(159.868,12.471)
  L5 w0.127: v1(123.368,26.746) 123.368,21.717 v1(133.121,11.963)
  L8 w0.127: v1(104.419,21.59) 104.816,21.987 104.816,22.951 105.772,23.907 ; 105.773,23.907 106.151,24.284 ; 106.151,24.285 107.25,25.385 107.25,25.66 108.766,27.176 110.349,27.176 111.75,25.775 113.951,25.775 114.571,25.155 114.571,25.033 115.23,24.375 117.444,24.375 117.52,24.451 118.007,24.451 119.341,25.784 119.341,25.845 120.75,27.254 121.742,27.254 122.247,26.749 123.365,26.749 v1(123.368,26.746) ; R42.2@132.766,8.268 133.55,8.268
FPGA_CSBSEL0: R47.2 SW1.8 U1.K11 | length 83.8
  L1 w0.127: v1@104.427,19.152 104.448,19.152 104.779,18.821 U1.K11@104.779,18.8 ; v1(146.443,13.627) 146.517,13.627 146.593,13.551 147.371,13.551 SW1.8@147.371,12.04
  L8 w0.127: v1(104.4,19.2) 104.058,19.542 103.08,19.542 103.055,19.517 102.729,19.517 102.461,19.249 102.461,19.054 102.194,18.787 98.908,18.787 98.773,18.921 96.265,18.921 95.72,19.466 94.402,19.466 92.948,18.012 92.948,15.573 92.625,15.25 92.625,9.762 95.773,6.613 101.283,6.613 101.316,6.58 107.539,6.58 108.036,7.077 108.036,7.943 107.94,8.039 107.94,8.362 108.383,8.805 109.496,8.805 109.758,9.067 112.55,9.067 112.912,9.43 112.912,9.5 113.32,9.908 115.119,9.908 115.592,10.381 118.497,10.381 118.747,10.131 121.997,10.131 122.139,10.273 126.622,10.273 126.747,10.149 130.39,10.149 130.656,9.882 131.853,9.882 133.566,11.595 136.236,11.595 136.395,11.754 139.659,11.754 141.296,13.391 146.133,13.391 146.369,13.627 v1(146.443,13.627)
FPGA_CSBSEL1: R31.2 SW1.7 U1.P13 | length 61.3
  L1 w0.127: v1(102.789,22.377) 102.806,22.377 103.179,22.004 U1.P13@103.179,22 ; R31.2@148.615,13.652 148.514,13.551 148.514,12.167 SW1.7@148.641,12.04
  L3 w0.127: v1(134.312,13.762) 134.993,13.081 v1(148.514,13.081)
  L5 w0.127: v1(124.765,27.534) 124.765,23.309 v1(134.312,13.762)
  L8 w0.127: v1(102.789,22.377) 102.984,22.377 104.627,24.021 104.633,24.021 104.862,24.25 104.862,24.574 104.633,24.802 104.606,24.802 104.5,24.909 104.5,25.6 104.671,25.771 105.446,25.771 106.675,27 106.975,27 108.167,28.192 112.767,28.192 113.09,27.869 116.26,27.869 116.583,28.192 116.942,28.192 116.98,28.154 118.02,28.154 118.755,28.889 123.199,28.889 124.503,27.586 124.713,27.586 v1(124.765,27.534)